# Altium PCB PCB2.PcbDoc (part 10 of 16)
Units mil, origin at the board's own origin, x right, y up, seen from the top; angles counter-clockwise.
Board outline 9200.79 x 4350.6 mil, 4 copper layers (Top Layer, Layer 1, Layer 2, Bottom Layer), stack 23.756 mil thick; 1249 components, 1355 nets, 4549 pads, 1316 vias.
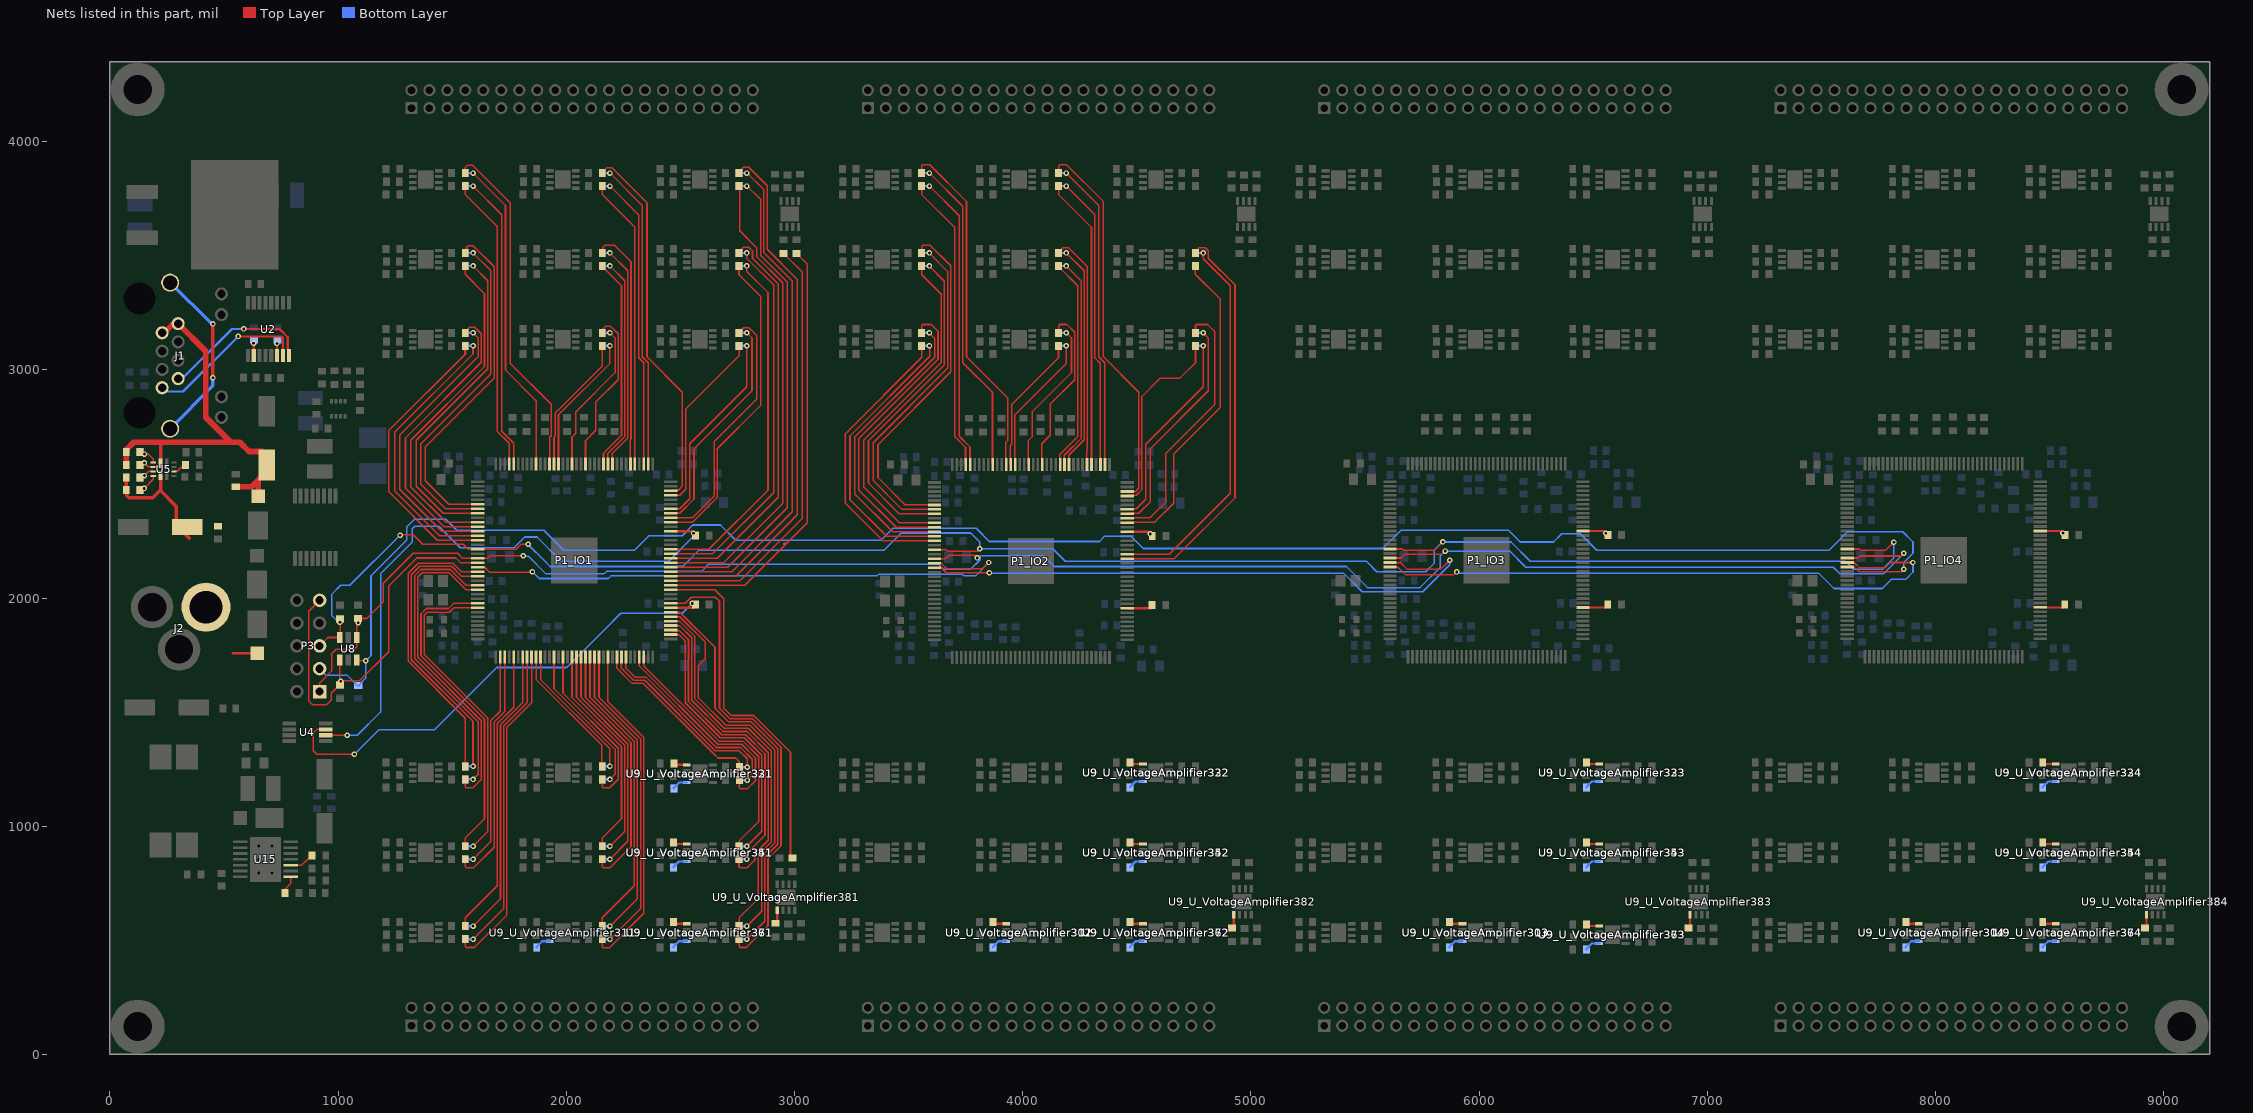
[diagram p12: the nets of this part, all layers, seen from the top]

## Via types
v1: diameter 24, hole 12, Top Layer to Bottom Layer, 1316 vias

## Nets (pads, with @x,y where several pads share a name; then routed paths per layer and width w, separated by ;. In a path a pad name is that pad's centre, name@x,y a point inside that pad or via, vN(x,y) a via of type N, cw(c..) or ccw(c..) an arc to the next point about the centre after c; other vN are vias at no path point) (continued)
NetR29_U_VoltageAmplifier302_1: R29_U_VoltageAmplifier302.1 U9_U_VoltageAmplifier302.5 | length 59.8
  Top Layer w10: R29_U_VoltageAmplifier302.1@3870.09,579.18 3876.91,572.36 U9_U_VoltageAmplifier302.5@3927.09,572.36
NetR29_U_VoltageAmplifier303_1: R29_U_VoltageAmplifier303.1 U9_U_VoltageAmplifier303.5 | length 59.8
  Top Layer w10: R29_U_VoltageAmplifier303.1@5870.09,579.18 5876.91,572.36 U9_U_VoltageAmplifier303.5@5927.09,572.36
NetR29_U_VoltageAmplifier304_1: R29_U_VoltageAmplifier304.1 U9_U_VoltageAmplifier304.5 | length 59.8
  Top Layer w10: R29_U_VoltageAmplifier304.1@7870.09,579.18 7876.91,572.36 U9_U_VoltageAmplifier304.5@7927.09,572.36
NetR29_U_VoltageAmplifier311_1: R29_U_VoltageAmplifier311.1 U9_U_VoltageAmplifier311.5 | length 69.4
  Bottom Layer w10: R29_U_VoltageAmplifier311.1@1870.09,469.18 1870.09,471.68 1894,495.59 U9_U_VoltageAmplifier311.5@1927.09,495.59
NetR29_U_VoltageAmplifier312_1: R29_U_VoltageAmplifier312.1 U9_U_VoltageAmplifier312.5 | length 69.4
  Bottom Layer w10: R29_U_VoltageAmplifier312.1@3870.09,469.18 3870.09,471.68 3894,495.59 U9_U_VoltageAmplifier312.5@3927.09,495.59
NetR29_U_VoltageAmplifier313_1: R29_U_VoltageAmplifier313.1 U9_U_VoltageAmplifier313.5 | length 69.4
  Bottom Layer w10: R29_U_VoltageAmplifier313.1@5870.09,469.18 5870.09,471.68 5894,495.59 U9_U_VoltageAmplifier313.5@5927.09,495.59
NetR29_U_VoltageAmplifier314_1: R29_U_VoltageAmplifier314.1 U9_U_VoltageAmplifier314.5 | length 69.4
  Bottom Layer w10: R29_U_VoltageAmplifier314.1@7870.09,469.18 7870.09,471.68 7894,495.59 U9_U_VoltageAmplifier314.5@7927.09,495.59
NetR29_U_VoltageAmplifier321_1: R29_U_VoltageAmplifier321.1 U9_U_VoltageAmplifier321.5 | length 59.8
  Top Layer w10: R29_U_VoltageAmplifier321.1@2471.26,1275.59 2478.08,1268.77 U9_U_VoltageAmplifier321.5@2528.26,1268.77
NetR29_U_VoltageAmplifier322_1: R29_U_VoltageAmplifier322.1 U9_U_VoltageAmplifier322.5 | length 59.8
  Top Layer w10: R29_U_VoltageAmplifier322.1@4470.09,1279.18 4476.91,1272.36 U9_U_VoltageAmplifier322.5@4527.09,1272.36
NetR29_U_VoltageAmplifier323_1: R29_U_VoltageAmplifier323.1 U9_U_VoltageAmplifier323.5 | length 59.8
  Top Layer w10: R29_U_VoltageAmplifier323.1@6470.09,1279.18 6476.91,1272.36 U9_U_VoltageAmplifier323.5@6527.09,1272.36
NetR29_U_VoltageAmplifier324_1: R29_U_VoltageAmplifier324.1 U9_U_VoltageAmplifier324.5 | length 59.8
  Top Layer w10: R29_U_VoltageAmplifier324.1@8470.09,1279.18 8476.91,1272.36 U9_U_VoltageAmplifier324.5@8527.09,1272.36
NetR29_U_VoltageAmplifier331_1: R29_U_VoltageAmplifier331.1 U9_U_VoltageAmplifier331.5 | length 69.4
  Bottom Layer w10: R29_U_VoltageAmplifier331.1@2471.26,1165.59 2471.26,1168.09 2495.17,1192 U9_U_VoltageAmplifier331.5@2528.26,1192
NetR29_U_VoltageAmplifier332_1: R29_U_VoltageAmplifier332.1 U9_U_VoltageAmplifier332.5 | length 69.4
  Bottom Layer w10: R29_U_VoltageAmplifier332.1@4470.09,1169.18 4470.09,1171.68 4494,1195.59 U9_U_VoltageAmplifier332.5@4527.09,1195.59
NetR29_U_VoltageAmplifier333_1: R29_U_VoltageAmplifier333.1 U9_U_VoltageAmplifier333.5 | length 69.4
  Bottom Layer w10: R29_U_VoltageAmplifier333.1@6470.09,1169.18 6470.09,1171.68 6494,1195.59 U9_U_VoltageAmplifier333.5@6527.09,1195.59
NetR29_U_VoltageAmplifier334_1: R29_U_VoltageAmplifier334.1 U9_U_VoltageAmplifier334.5 | length 69.4
  Bottom Layer w10: R29_U_VoltageAmplifier334.1@8470.09,1169.18 8470.09,1171.68 8494,1195.59 U9_U_VoltageAmplifier334.5@8527.09,1195.59
NetR29_U_VoltageAmplifier341_1: R29_U_VoltageAmplifier341.1 U9_U_VoltageAmplifier341.5 | length 59.8
  Top Layer w10: R29_U_VoltageAmplifier341.1@2470.09,929.18 2476.91,922.36 U9_U_VoltageAmplifier341.5@2527.09,922.36
NetR29_U_VoltageAmplifier342_1: R29_U_VoltageAmplifier342.1 U9_U_VoltageAmplifier342.5 | length 59.8
  Top Layer w10: R29_U_VoltageAmplifier342.1@4470.09,929.18 4476.91,922.36 U9_U_VoltageAmplifier342.5@4527.09,922.36
NetR29_U_VoltageAmplifier343_1: R29_U_VoltageAmplifier343.1 U9_U_VoltageAmplifier343.5 | length 59.8
  Top Layer w10: R29_U_VoltageAmplifier343.1@6470.09,929.18 6476.91,922.36 U9_U_VoltageAmplifier343.5@6527.09,922.36
NetR29_U_VoltageAmplifier344_1: R29_U_VoltageAmplifier344.1 U9_U_VoltageAmplifier344.5 | length 59.8
  Top Layer w10: R29_U_VoltageAmplifier344.1@8470.09,929.18 8476.91,922.36 U9_U_VoltageAmplifier344.5@8527.09,922.36
NetR29_U_VoltageAmplifier351_1: R29_U_VoltageAmplifier351.1 U9_U_VoltageAmplifier351.5 | length 69.4
  Bottom Layer w10: R29_U_VoltageAmplifier351.1@2470.09,819.18 2470.09,821.68 2494,845.59 U9_U_VoltageAmplifier351.5@2527.09,845.59
NetR29_U_VoltageAmplifier352_1: R29_U_VoltageAmplifier352.1 U9_U_VoltageAmplifier352.5 | length 69.4
  Bottom Layer w10: R29_U_VoltageAmplifier352.1@4470.09,819.18 4470.09,821.68 4494,845.59 U9_U_VoltageAmplifier352.5@4527.09,845.59
NetR29_U_VoltageAmplifier353_1: R29_U_VoltageAmplifier353.1 U9_U_VoltageAmplifier353.5 | length 69.4
  Bottom Layer w10: R29_U_VoltageAmplifier353.1@6470.09,819.18 6470.09,821.68 6494,845.59 U9_U_VoltageAmplifier353.5@6527.09,845.59
NetR29_U_VoltageAmplifier354_1: R29_U_VoltageAmplifier354.1 U9_U_VoltageAmplifier354.5 | length 69.4
  Bottom Layer w10: R29_U_VoltageAmplifier354.1@8470.09,819.18 8470.09,821.68 8494,845.59 U9_U_VoltageAmplifier354.5@8527.09,845.59
NetR29_U_VoltageAmplifier361_1: R29_U_VoltageAmplifier361.1 U9_U_VoltageAmplifier361.5 | length 59.8
  Top Layer w10: R29_U_VoltageAmplifier361.1@2470.09,579.18 2476.91,572.36 U9_U_VoltageAmplifier361.5@2527.09,572.36
NetR29_U_VoltageAmplifier362_1: R29_U_VoltageAmplifier362.1 U9_U_VoltageAmplifier362.5 | length 59.8
  Top Layer w10: R29_U_VoltageAmplifier362.1@4470.09,579.18 4476.91,572.36 U9_U_VoltageAmplifier362.5@4527.09,572.36
NetR29_U_VoltageAmplifier363_1: R29_U_VoltageAmplifier363.1 U9_U_VoltageAmplifier363.5 | length 59.8
  Top Layer w10: R29_U_VoltageAmplifier363.1@6470.09,569.18 6476.91,562.36 U9_U_VoltageAmplifier363.5@6527.09,562.36
NetR29_U_VoltageAmplifier364_1: R29_U_VoltageAmplifier364.1 U9_U_VoltageAmplifier364.5 | length 59.8
  Top Layer w10: R29_U_VoltageAmplifier364.1@8470.09,579.18 8476.91,572.36 U9_U_VoltageAmplifier364.5@8527.09,572.36
NetR29_U_VoltageAmplifier371_1: R29_U_VoltageAmplifier371.1 U9_U_VoltageAmplifier371.5 | length 69.4
  Bottom Layer w10: R29_U_VoltageAmplifier371.1@2470.09,469.18 2470.09,471.68 2494,495.59 U9_U_VoltageAmplifier371.5@2527.09,495.59
NetR29_U_VoltageAmplifier372_1: R29_U_VoltageAmplifier372.1 U9_U_VoltageAmplifier372.5 | length 69.4
  Bottom Layer w10: R29_U_VoltageAmplifier372.1@4470.09,469.18 4470.09,471.68 4494,495.59 U9_U_VoltageAmplifier372.5@4527.09,495.59
NetR29_U_VoltageAmplifier373_1: R29_U_VoltageAmplifier373.1 U9_U_VoltageAmplifier373.5 | length 69.4
  Bottom Layer w10: R29_U_VoltageAmplifier373.1@6470.09,459.18 6470.09,461.68 6494,485.59 U9_U_VoltageAmplifier373.5@6527.09,485.59
NetR29_U_VoltageAmplifier374_1: R29_U_VoltageAmplifier374.1 U9_U_VoltageAmplifier374.5 | length 69.4
  Bottom Layer w10: R29_U_VoltageAmplifier374.1@8470.09,469.18 8470.09,471.68 8494,495.59 U9_U_VoltageAmplifier374.5@8527.09,495.59
NetR29_U_VoltageAmplifier381_1: R29_U_VoltageAmplifier381.1 U9_U_VoltageAmplifier381.5 | length 59.8
  Top Layer w10: R29_U_VoltageAmplifier381.1@2917.67,574.42 2924.49,581.24 U9_U_VoltageAmplifier381.5@2924.49,631.42
NetR29_U_VoltageAmplifier382_1: R29_U_VoltageAmplifier382.1 U9_U_VoltageAmplifier382.5 | length 59.8
  Top Layer w10: R29_U_VoltageAmplifier382.1@4917.67,554.42 4924.49,561.24 U9_U_VoltageAmplifier382.5@4924.49,611.42
NetR29_U_VoltageAmplifier383_1: R29_U_VoltageAmplifier383.1 U9_U_VoltageAmplifier383.5 | length 59.8
  Top Layer w10: R29_U_VoltageAmplifier383.1@6917.67,554.42 6924.49,561.24 U9_U_VoltageAmplifier383.5@6924.49,611.42
NetR29_U_VoltageAmplifier384_1: R29_U_VoltageAmplifier384.1 U9_U_VoltageAmplifier384.5 | length 59.8
  Top Layer w10: R29_U_VoltageAmplifier384.1@8917.67,554.42 8924.49,561.24 U9_U_VoltageAmplifier384.5@8924.49,611.42
NetR35_2: R35.2 R38.2 U5.5 | length 46.3
  Top Layer w7: v1(151.4,2536.57) 169.78,2554.95 U5.5@190.1,2554.95
NetR36_1: R36.1 R39.1 U5.6 | length 71.6
  Top Layer w7: v1(149.9,2480.37) 190.1,2520.57 U5.6@190.1,2535.26
NetR40_1: R40.1 U5.10 | length 66
  Top Layer w7: U5.10@280.66,2554.95 295.32,2554.95 R40.1@331.6,2591.23
NetR41_2: R41.2 R43.2 U5.4 | length 46
  Top Layer w7: v1(151.2,2591.77) 168.33,2574.63 U5.4@190.1,2574.63
NetR42_1: R42.1 R44.1 U5.3 | length 62.6
  Top Layer w7: v1(151.24,2630.9) 168.16,2630.9 190.1,2608.96 U5.3@190.1,2594.32
NetR47_2: R47.2 U15.8 | length 80.1
  Top Layer w7: R47.2@767.76,707.99 767.76,724.99 791.9,749.13 U15.8@791.9,778.08
NetR48_2: R48.2 U15.10 | length 105.7
  Top Layer w7: U15.10@791.9,829.26 839.88,829.26 847.11,836.49 853.26,842.64 880.61,869.99 R48.2@880.76,869.99
PWR_CNTRL: C78.2 C79.1 D4.2 J1.7 J1.8 R41.1 R42.2 U5.2 | length 1802.8
  Top Layer w15: U5.2@221.96,2577.99 221.96,2676.36
  Top Layer w25: R41.1@71.8,2588.36 R42.2@71.8,2638.89 74.3,2641.39 74.3,2653.1 104.14,2682.94 529.12,2682.94 ; J1.7@228.68,3162.28 237.49,3162.28 271.42,3196.21 292.53,3196.21 J1.8@298.76,3202.44 419.76,3081.44 419.76,2792.29 529.12,2682.94 ; C78.2@551.16,2487.43 620.25,2487.43 649.36,2516.54 ; D4.2@649.36,2445.25 649.36,2516.54 ; 529.12,2682.94 568.51,2682.94 609.36,2642.09 667.46,2642.09 667.46,2534.64 649.36,2516.54
PWR_LOCAL: C75.2 C76.1 D6.2 J2.1 R35.1 R36.2 U5.7 | length 763.1
  Top Layer w10: J2.1@420.97,1867.03 J2.1@420.97,1960.13 ; 537.16,1758.49 D6.2@645.26,1758.49
  Top Layer w15: R35.1@71.8,2535.7 71.8,2480.17 74.31,2477.65 74.31,2448.95 84.8,2438.47 187,2438.47 220.45,2471.92 ; U5.7@221.6,2538.22 221.9,2537.92 221.9,2473.37 220.45,2471.92 ; C76.1@286.06,2323.09 347.66,2261.49 ; C76.1@291.26,2345.59 291.26,2401.11 220.45,2471.92
RS232_RX: J1.2 U2.8 | length 667.7
  Top Layer w10: v1(586.96,3179.19) 742.9,3179.19 778.99,3143.1 778.99,3092.61 779.87,3091.74 779.87,3066.58 U2.8@783.73,3062.72
  Bottom Layer w10: J1.2@298.76,2961.49 317.18,2961.49 534.88,3179.19 v1(586.96,3179.19)
RS232_TX: J1.1 U2.7 | length 716.3
  Top Layer w10: v1(561.88,3146.39) 751.66,3146.39 758.14,3139.91 U2.7@758.14,3062.72
  Bottom Layer w10: J1.1@228.68,2921.33 245.27,2904.75 320.23,2904.75 v1(561.88,3146.39)
SCL: P1_IO1.97 R14_IO1.1 U4.2 | length 2659.6
  Top Layer w7: U4.2@945.46,1398.59 v1@1042.26,1398.59
  Top Layer w10: P1_IO1.97@2457.48,2292.49 2548.26,2292.49 v1(2557.26,2283.49) R14_IO1.1@2566.26,2274.49
  Bottom Layer w7: v1(1039.78,1398.55) 1084.22,1398.55 1185.97,1500.31 1185.97,2106.75 1324.46,2245.24 1324.46,2302.94 1336.26,2314.75 1441.44,2314.75 1535.68,2220.51 1770.37,2220.51 1817.19,2267.33 1871.56,2267.33 1977.4,2161.48 2448.38,2161.48 2554.91,2268.02 2554.91,2281.14 v1(2557.26,2283.49)
SCL_IO2: P1_IO2.97 R14_IO2.1 | length 116.2
  Top Layer w10: P1_IO2.97@4458.58,2289.89 4549.36,2289.89 v1(4558.36,2280.89) R14_IO2.1@4567.36,2271.89
SCL_IO3: P1_IO3.97 R14_IO3.1 | length 116.2
  Top Layer w10: P1_IO3.97@6455.48,2293.34 6546.26,2293.34 v1(6555.26,2284.34) R14_IO3.1@6564.26,2275.34
SCL_IO4: P1_IO4.97 R14_IO4.1 | length 116.2
  Top Layer w10: P1_IO4.97@8458.48,2293.49 8549.26,2293.49 R14_IO4.1@8567.26,2275.49
  other v1: 8558.26,2284.49
SDA: P1_IO1.80 R20_IO1.1 U4.3 | length 2188
  Top Layer w7: U4.3@945.46,1424.59 944.9,1424.03 907.35,1424.03 891.29,1407.97 891.29,1331.06 906.76,1315.59 v1(1071.26,1315.59)
  Top Layer w10: P1_IO1.80@2457.48,1957.84 2561.01,1957.84 R20_IO1.1@2565.46,1962.29
  Bottom Layer w7: v1(1071.26,1315.59) 1178.93,1423.27 1422.7,1423.27 1695.03,1695.59 2001.26,1695.59 2161.26,1855.59 2238.46,1932.79 2507.56,1932.79 2551.06,1976.29 v1(2551.46,1976.29)
SDA_IO2: P1_IO2.80 R20_IO2.1 | length 202.8
  Top Layer w10: R20_IO2.1@4566.56,1959.69 4562.11,1955.24 R20_IO2.1@4551.56,1955.24 ; R20_IO2.1@4551.56,1955.24 P1_IO2.80@4458.58,1955.24 R20_IO2.1@4551.56,1955.24
SDA_IO3: P1_IO3.80 R20_IO3.1 | length 202.8
  Top Layer w10: R20_IO3.1@6563.46,1963.14 6559.01,1958.69 R20_IO3.1@6548.46,1958.69 ; R20_IO3.1@6548.46,1958.69 P1_IO3.80@6455.48,1958.69 R20_IO3.1@6548.46,1958.69
SDA_IO4: P1_IO4.80 R20_IO4.1 | length 202.8
  Top Layer w10: R20_IO4.1@8566.46,1963.29 8562.01,1958.84 R20_IO4.1@8551.46,1958.84 ; R20_IO4.1@8551.46,1958.84 P1_IO4.80@8458.48,1958.84 R20_IO4.1@8551.46,1958.84
SHIELD: J1.MH1 J1.MH2 | length 799.5
  Top Layer w15: v1(451.26,2965.59) v1(451.29,3201.09)
  Bottom Layer w15: J1.MH2@263.72,2741.81 451.26,2929.35 v1(451.26,2965.59) ; J1.MH1@263.72,3381.96 264.89,3381.96 445.76,3201.09 v1(451.29,3201.09)
TCK: C36.2 P1_IO1.18 P1_IO2.18 P1_IO3.18 P1_IO4.18 P3.1 R12.2 U8.1 | length 8409.7
  Top Layer w7: P3.1@918.86,1590.09 918.86,1627.56 971.26,1679.96 971.26,1755.59 991.26,1775.59 1071.26,1775.59 1081.66,1785.99 U8.1@1081.66,1826.9 1081.66,1880.61 1088.55,1887.5 v1(1088.55,1892.1) ; R12.2@1087.86,1910.09 1125.76,1910.09 1198.24,1982.57 1198.24,2064.76 1329.07,2195.59 1523.75,2195.59 1544.96,2174.38 P1_IO1.18@1611.97,2174.38 1656.08,2174.38 1667.29,2185.59 v1(1811.26,2185.59) ; P1_IO2.18@3613.07,2171.78 3661.83,2171.78 3677.52,2187.47 3789.38,2187.47 v1(3801.26,2175.59) ; P1_IO3.18@5609.97,2175.23 5658.73,2175.23 5674.42,2190.92 5834.11,2190.92 5848.78,2205.59 v1(5851.26,2205.59) ; P1_IO4.18@7612.97,2175.38 7661.73,2175.38 7670.46,2184.11 7848.66,2184.11 7860.14,2195.59 v1(7861.26,2195.59)
  Bottom Layer w7: v1(1811.26,2185.59) 1813.76,2183.09 1833.76,2183.09 1911.26,2105.59 2165.26,2105.59 2176.17,2116.5 2592.17,2116.5 2624.29,2148.62 3628.23,2148.62 3651.26,2125.59 3771.26,2125.59 3813.86,2168.19 3813.86,2185.59 3831.26,2185.59 4091.26,2185.59 4138.64,2138.22 5418.46,2138.22 5511.03,2045.65 5741.32,2045.65 5829.3,2133.63 5829.3,2183.63 v1(5851.26,2205.59) 6133.84,2205.59 6204.2,2135.24 7551.61,2135.24 7579.89,2106.96 7773.61,2106.96 7861.26,2194.6 v1(7861.26,2195.59)
TDI: C39.2 P1_IO1.19 P3.9 R10.2 U8.4 | length 1753.8
  Top Layer w7: P3.9@918.86,1990.09 871.26,1942.49 871.26,1548.49 887.75,1532 948.57,1532 969.45,1552.88 969.45,1582.41 994.03,1606.99 996.86,1606.99 R10.2@1008.36,1618.49 ; U8.4@1006.86,1728.48 1006.86,1644.59 1011.26,1640.19 v1(1011.26,1635.59) ; v1@1011.26,1636.93 1093.62,1636.93 1221.26,1764.57 1221.26,2052.49 1343.9,2175.13 1516.25,2175.13 1536.2,2155.18 1611.48,2155.18 P1_IO1.19@1611.97,2154.69
TDI_IO2: P1_IO1.20 P1_IO2.19 | length 2549.4
  Top Layer w7: P1_IO1.20@1611.97,2135.01 1642.12,2135.01 1663.67,2113.47 1849.14,2113.47 v1(1851.26,2115.59) ; P1_IO2.19@3613.07,2152.09 3613.97,2151.19 3644.24,2151.19 3667.24,2128.19 3822.26,2128.19 v1@3846.16,2152.09
  Bottom Layer w7: v1(1851.26,2115.59) 1881.26,2085.59 2184,2085.59 2195.32,2096.91 3360.96,2096.91 3368.24,2104.19 3735.18,2104.19 3742.46,2096.91 3792.58,2096.91 v1(3851.26,2155.59)
TDI_IO3: P1_IO2.20 P1_IO3.19 | length 2659.6
  Top Layer w7: P1_IO2.20@3613.07,2132.41 3643.22,2132.41 3664.77,2110.87 v1(3854.29,2110.87) ; P1_IO3.19@5609.97,2155.54 5610.87,2154.64 5656.35,2154.64 5684.34,2126.65 5832.32,2126.65 v1(5871.26,2165.59)
  Bottom Layer w7: v1(3854.29,2110.87) 3857.52,2107.64 5407.59,2107.64 5487.44,2027.78 5753.35,2027.78 5871.26,2145.7 v1(5871.26,2165.59)
TDI_IO4: P1_IO3.20 P1_IO4.19 | length 2719.7
  Top Layer w7: P1_IO3.20@5609.97,2135.86 5610.79,2135.03 5644.94,2135.03 5677.39,2102.58 5889.81,2102.58 5901.4,2114.17 v1(5902.41,2114.17) ; P1_IO4.19@7612.97,2155.69 7613.87,2154.79 7644.14,2154.79 7667.14,2131.79 7777.46,2131.79 7801.36,2155.69 7901.16,2155.69 v1(7901.26,2155.59)
  Bottom Layer w7: v1(5902.41,2114.17) 5907.01,2114.17 5913.39,2107.79 7489.06,2107.79 7555,2041.85 7766.91,2041.85 7806.44,2081.38 7869.13,2081.38 7901.26,2113.5 v1(7901.26,2155.59)
TDO: C37.2 P1_IO4.20 P3.3 U8.6 | length 8396.8
  Top Layer w7: U8.6@1081.66,1728.48 1084.55,1725.59 v1(1121.26,1725.59) ; P1_IO4.20@7612.97,2136.01 7643.12,2136.01 7664.67,2114.47 7850.13,2114.47 v1(7861.26,2125.59)
  Bottom Layer w7: P3.3@918.86,1690.09 948.11,1660.84 1040.55,1660.84 1085.34,1616.05 C37.2@1088.06,1616.05 1090.78,1616.05 1102.28,1627.55 1102.28,1630.27 1121.26,1649.25 v1(1121.26,1725.59) 1143.89,1748.22 1143.89,2097.85 1301.45,2255.4 1301.45,2312.45 1334.59,2345.59 1471.26,2345.59 1519.39,2297.46 1900.51,2297.46 1988.72,2209.25 2298.27,2209.25 2362.34,2273.32 2507.42,2273.32 2554.21,2320.11 2675.6,2320.11 2742.92,2252.79 3378.5,2252.79 3431.1,2305.39 3795.9,2305.39 3853.59,2247.7 4336.24,2247.7 4358.73,2270.19 4474.74,2270.19 4527.85,2217.08 5576.99,2217.08 5656.06,2296.15 6129.43,2296.15 6179.99,2245.59 6325.93,2245.59 6361.71,2281.37 6443.04,2281.37 6515.54,2208.87 7533.48,2208.87 7614.64,2290.03 7856.82,2290.03 7901.26,2245.59 7901.26,2195.59 7861.26,2155.59 v1(7861.26,2125.59)
TMS: C38.2 P1_IO1.16 P1_IO2.16 P1_IO3.16 P1_IO4.16 P3.5 R11.2 U8.3 | length 8405.8
  Top Layer w7: P3.5@918.86,1790.09 955.67,1826.9 U8.3@1006.86,1826.9 1008.46,1828.5 R11.2@1008.46,1908.69 ; v1(1271.26,2275.59) 1272.96,2277.29 1329.56,2277.29 1371.26,2235.59 1548.72,2235.59 1570.56,2213.75 P1_IO1.16@1611.97,2213.75 1779.42,2213.75 1801.26,2235.59 1833.35,2235.59 v1(1833.65,2235.89) ; P1_IO2.16@3613.07,2211.15 3666.17,2211.15 3671.86,2205.46 3801.13,2205.46 v1(3811.26,2215.59) ; P1_IO3.16@5609.97,2214.6 5663.07,2214.6 5668.76,2208.91 5804.58,2208.91 v1(5841.26,2245.59) ; P1_IO4.16@7612.97,2214.75 7666.07,2214.75 7671.76,2209.06 7781.26,2209.06 7816.57,2244.38 v1(7817.62,2244.38)
  Bottom Layer w7: C38.2@1008.46,1908.69 1005.36,1905.59 990.36,1905.59 990.36,1905.77 971.26,1924.87 971.26,2015.07 1011.78,2055.59 1051.26,2055.59 v1(1271.26,2275.59) ; v1(1833.65,2235.89) 1833.65,2233.2 1908.27,2158.58 1928.58,2138.27 2509.57,2138.27 2581.45,2210.15 3392.87,2210.15 3467.43,2284.71 3772.14,2284.71 3811.26,2245.59 v1(3811.26,2215.59) 4131.26,2215.59 4186.06,2160.79 5506.06,2160.79 5551.56,2115.29 5765.67,2115.29 5804.17,2153.78 5804.17,2212.23 5837.52,2245.59 v1(5841.26,2245.59) 6139.73,2245.59 6223.98,2161.34 7605.51,2161.34 7641.26,2125.59 7767.23,2125.59 7817.62,2175.98 v1(7817.62,2244.38)
  other v1: 1007.77,1893.7
V+: C41.2 U2.2 | length 53.5
  Top Layer w10: v1(629.46,3115.89) 630.18,3115.17 U2.2@630.18,3062.72
V-: C44.2 U2.6 | length 53.2
  Top Layer w10: v1(731.76,3115.59) 732.55,3114.8 U2.6@732.55,3062.72
V_F1_IN1: P1_IO1.14 R26_U_VoltageAmplifier11.1 | length 1255.8
  Top Layer w7: 1556.63,3068.64 1222.59,2734.6 1222.59,2465.1 1434.57,2253.12 P1_IO1.14@1611.97,2253.12
  Top Layer w10: 1556.63,3068.64 1556.63,3104.72 R26_U_VoltageAmplifier11.1@1557.09,3105.18
V_F1_IN2: P1_IO1.11 R28_U_VoltageAmplifier11.1 | length 1296.9
  Top Layer w7: R28_U_VoltageAmplifier11.1@1557.09,3162.18 1568.59,3173.68 1568.59,3179.18 1576.08,3186.67 1598.42,3186.67 1627.59,3157.5 1627.59,3032.99 1295.38,2700.78 1295.38,2480.49 1463.69,2312.17 P1_IO1.11@1611.97,2312.17
V_F1_IN3: P1_IO1.12 R26_U_VoltageAmplifier21.1 | length 1289.8
  Top Layer w7: v1(1591.09,3162.18) 1613.59,3139.68 1613.59,3058.2 1269.84,2714.46 1269.84,2476.38 1453.74,2292.49 P1_IO1.12@1611.97,2292.49
  Bottom Layer w10: R26_U_VoltageAmplifier21.1@1557.09,3162.18 v1(1591.09,3162.18)
V_F1_IN4: P1_IO1.13 R28_U_VoltageAmplifier21.1 | length 1257.8
  Top Layer w7: v1(1591.09,3105.18) 1591.09,3069.52 1247.4,2725.84 1247.4,2469.92 1444.52,2272.8 P1_IO1.13@1611.97,2272.8
  Bottom Layer w10: R28_U_VoltageAmplifier21.1@1557.09,3105.18 v1(1591.09,3105.18)
V_F1_IN5: P1_IO1.10 R26_U_VoltageAmplifier31.1 | length 1494.7
  Top Layer w7: R26_U_VoltageAmplifier31.1@1557.09,3455.18 1557.09,3418.18 1641.59,3333.68 1641.59,3014.18 1318.59,2691.19 1318.59,2486.91 1473.65,2331.86 P1_IO1.10@1611.97,2331.86
V_F1_IN6: P1_IO1.6 R28_U_VoltageAmplifier31.1 | length 1526.6
  Top Layer w7: R28_U_VoltageAmplifier31.1@1557.09,3512.18 1562.32,3517.41 1562.32,3536.08 1569.61,3543.37 1591,3543.37 1592.5,3541.88 ; 1591.36,3543.73 1683.59,3451.5 1683.59,2964.19 1381.28,2661.88 1381.28,2513.98 1484.67,2410.6 P1_IO1.6@1611.97,2410.6
V_F1_IN7: P1_IO1.7 R26_U_VoltageAmplifier41.1 | length 1502.1
  Top Layer w7: v1(1591.09,3512.18) 1669.59,3433.68 1669.59,2983.27 1361.58,2675.26 1361.58,2499.64 1470.31,2390.91 P1_IO1.7@1611.97,2390.91
  Bottom Layer w10: R26_U_VoltageAmplifier41.1@1557.09,3512.18 v1(1591.09,3512.18)
V_F1_IN8: P1_IO1.8 R28_U_VoltageAmplifier41.1 | length 1474.3
  Top Layer w7: v1(1591.09,3455.18) 1655.59,3390.68 1655.59,3004.13 1342.68,2691.22 1342.68,2489.5 1460.95,2371.23 P1_IO1.8@1611.97,2371.23
  Bottom Layer w10: R28_U_VoltageAmplifier41.1@1557.09,3455.18 v1(1591.09,3455.18)
V_F1_IN9: P1_IO1.141 R26_U_VoltageAmplifier51.1 | length 1297.9
  Top Layer w7: R26_U_VoltageAmplifier51.1@1556.63,3804.72 1556.63,3768.64 1697.59,3627.68 1697.59,2730.02 1749.29,2678.31 P1_IO1.141@1749.29,2587.29
  Top Layer w10: R26_U_VoltageAmplifier51.1@1556.63,3804.72 R26_U_VoltageAmplifier51.1@1557.09,3805.18
V_F1_IN10: P1_IO1.132 R28_U_VoltageAmplifier51.1 | length 1514.1
  Top Layer w7: R28_U_VoltageAmplifier51.1@1557.09,3862.18 1557.09,3886.41 1566.27,3895.59 1589.5,3895.59 1753.59,3731.5 1753.59,3028.72 1933.46,2848.85 1933.46,2710.94 1926.46,2703.94 P1_IO1.132@1926.46,2587.29
V_F1_IN11: P1_IO1.135 R26_U_VoltageAmplifier61.1 | length 1423.3
  Top Layer w7: v1(1591.09,3862.18) 1733.25,3720.02 1733.25,2999.16 1867.4,2865.01 P1_IO1.135@1867.4,2587.29
  Bottom Layer w10: R26_U_VoltageAmplifier61.1@1557.09,3862.18 v1(1591.09,3862.18)
V_F1_IN12: P1_IO1.140 R28_U_VoltageAmplifier61.1 | length 1325.6
  Top Layer w7: v1(1591.09,3805.18) 1716.48,3679.79 1716.48,2730.92 1768.98,2678.42 P1_IO1.140@1768.98,2587.29
  Bottom Layer w10: R28_U_VoltageAmplifier61.1@1557.09,3805.18 v1(1591.09,3805.18)